# Altium PCB PS-010 Main.PcbDoc (part 1 of 2) (continued)
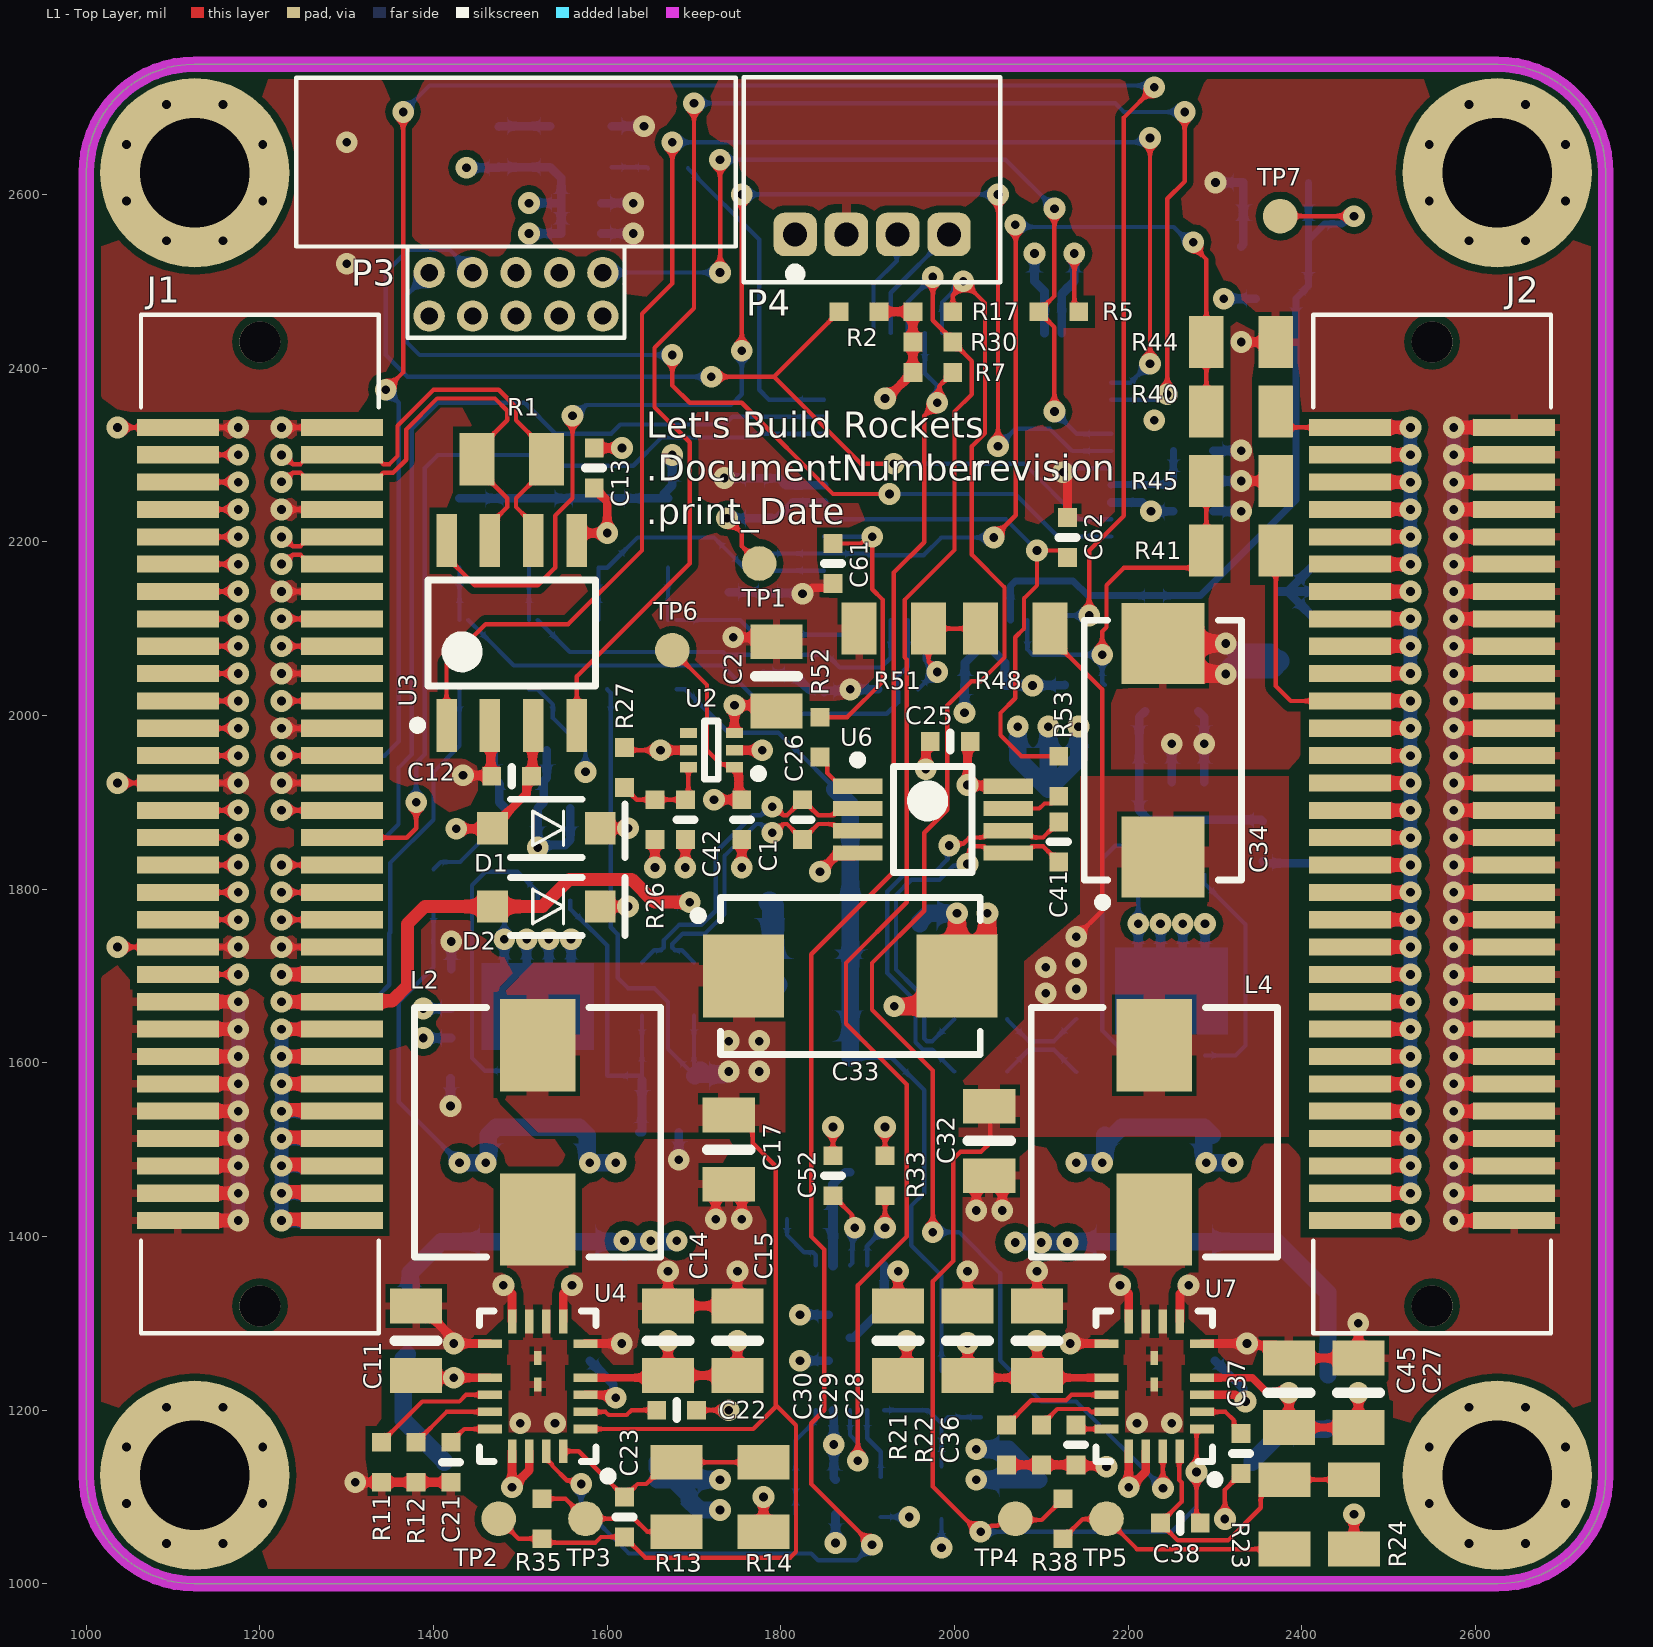
[diagram p0: L1 - Top Layer view]
## Components (designator, comment, footprint, x,y, rotation, side; value= is the part's Value field where it differs from the comment)
C1 "1µF" SMD-0402C 1755,1880 r180 top
C2 "4.7µF" SMD-0805C 1795,2045 r0 top
C3 "0.10µF" SMD-0402C 1770,2250 r180 bottom
C4 "0.10µF" SMD-0402C 2035,2035 r90 bottom
C5 "0.10µF" SMD-0402C 1570,2555 r90 bottom
C6 "10000pF" SMD-0402C 1570,2590 r90 bottom
C7 "1µF" SMD-0402C 2275,2305 r90 bottom
C8 "0.10µF" SMD-0402C 2275,2270 r90 bottom
C9 "0.10µF" SMD-0402C 2115,2500 r270 bottom
C10 "0.10µF" SMD-0402C 2275,2235 r90 bottom
C11 "1µF" SMD-0805C 1380,1280 r180 top
C12 "0.10µF" SMD-0402C 1490,1930 r270 top
C13 "0.10µF" SMD-0402C 1585,2285 r180 top
C14 "1µF" SMD-0805C 1670,1280 r180 top
C15 "1µF" SMD-0805C 1750,1280 r180 top
C16 "0.10µF" SMD-0402C 1580,1280 r0 bottom
C17 "1µF" SMD-0805C 1740,1500 r0 top
C18 "0.10µF" SMD-0402C 1660,1520 r270 bottom
C19 "1µF" SMD-0402C 1420,1685 r180 bottom
C20 "0.10µF" SMD-0402C 1420,1605 r180 bottom
C21 "10000pF" SMD-0402C 1420,1140 r180 top
C22 "1µF" SMD-0402C 1680,1200 r270 top
C23 "4.7pF" SMD-0402C 1620,1077 r180 top
C24 "0.10µF" SMD-0603C 1500,1960 r90 bottom
C25 "0.10µF" SMD-0402C 1995,1970 r270 top
C26 "1µF" SMD-0402C 1825,1880 r180 top
C27 "1µF" SMD-0805C 2465,1220 r180 top
C28 "1µF" SMD-0805C 2095,1280 r180 top
C29 "1µF" SMD-0805C 2015,1280 r180 top
C30 "1µF" SMD-0805C 1935,1280 r180 top
C31 "0.10µF" SMD-0402C 2300,1280 r0 bottom
C32 "1µF" SMD-0805C 2040,1510 r0 top
C33 "T521W476M016ATE045" "KEMET W - CAPMP7343X15N" 1880,1700 r0 top value=47uF
C34 "T521W476M016ATE045" "KEMET W - CAPMP7343X15N" 2240,1960 r90 top value=47uF
C35 "T521W476M016ATE045" "KEMET W - CAPMP7343X15N" 1985,1915 r0 bottom locked value=47uF
C36 "10000pF" SMD-0402C 2140,1160 r180 top
C37 "1µF" SMD-0402C 2330,1150 r180 top
C38 "4.7pF" SMD-0402C 2260,1070 r270 top
C39 "0.10µF" SMD-0603C 2250,2005 r90 bottom
C40 "4.7µF" SMD-0805C 2370,2540 r270 bottom
C41 "1µF" SMD-0402C 2120,1854.41 r180 top
C42 "0.10µF" SMD-0402C 1690,1880 r0 top
C43 "T521D226M050ATE090" "KEMET D - CAPMP7343X31N" 1535,1140 r0 bottom value=22uF
C44 "T521D226M050ATE090" "KEMET D - CAPMP7343X31N" 2221,1141 r180 bottom value=22uF
C45 "1µF" SMD-0805C 2385,1220 r180 top
C46 "10pF" SMD-0402C 2030,1215 r180 bottom
C47 "1µF" SMD-0805C 2373.39,2102.72 r180 bottom
C48 "0.10µF" SMD-0402C 1780,2025 r180 bottom
C49 "1µF" SMD-0805C 1760,1280 r0 bottom
C50 "0.10µF" SMD-0402C 1830,1420 r270 bottom
C51 "1µF" SMD-0805C 1920,1760 r270 bottom
C52 "10000pF" SMD-0402C 1860,1470 r0 top
C53 "1µF" SMD-0402C 1915,1100 r0 bottom
C54 "0.10µF" SMD-0402C 1850,2050 r0 bottom
C55 "0.10µF" SMD-0402C 1785,2165 r0 bottom
C56 "0.10µF" SMD-0402C 2150,2035 r270 bottom
C57 "0.10µF" SMD-0402C 1815,2070 r0 bottom
C58 "0.10µF" SMD-0402C 1740,2165 r0 bottom
C59 "0.10µF" SMD-0402C 1935,2030 r270 bottom
C60 "0.10µF" SMD-0402C 2230,2161 r180 bottom
C61 "1µF" SMD-0402C 1860,2175 r180 top
C62 "1µF" SMD-0402C 2130,2205 r0 top
D1 "SBR0560S1Q-7" SOD123 1530,1870 r180 top
D2 "SBR0560S1Q-7" SOD123 1530,1780 r180 top
D3 "SBR0560S1Q-7" SOD123 1725,1785 r0 bottom
J1 "10144517-062802LF" 10144517-062802LF 1200,1875 r90 top locked
J2 "10144517-062802LF" 10144517-062802LF 2550,1875 r90 top locked
L1 "XGL4020-331ME" "INDM4040X21N (XGL4020)" 1520,1460 r270 bottom value=330nH
L2 "744314330" "INDM7050X50N (Wurth)" 1520,1520 r90 top value=3.3uH
L3 "XGL4020-251ME" "INDM4040X21N (XGL4020)" 2230,1460 r270 bottom value=250nH
L4 "744314330" "INDM7050X50N (Wurth)" 2230,1520 r90 top value=3.3uH
L5 "XGL4020-822ME" "INDM4040X21N (XGL4020)" 1880,1540 r90 bottom value=8.2uH
P1 "10144518-064802LF" 10144518-064802LF 1200,1875 r270 bottom locked
P2 "10144518-064802LF" 10144518-064802LF 2550,1875 r270 bottom locked
P3 "2x5_0.05_SWD" 2X5_0.05_R 1495,2460 r180 top locked
P4 "S4B-ZR(LF)(SN)" S4B-ZR(LF)(SN) 1905,2735 r180 top locked
Q1 "NVTFWS003N04CTAG" DFN065P305X80-8N 1520,1647.28 r0 bottom
Q2 "NVTFWS003N04CTAG" DFN065P305X80-8N 2250,1665 r0 bottom
R1 "120" SMD-0805-RES 1490,2295 r90 top
R2 "1k" SMD-0402-RES 1890,2465 r90 top
R3 "22" SMD-0402-RES 1670,2630 r270 bottom
R4 "1k" SMD-0402-RES 1475,2655 r180 bottom
R5 "10k" SMD-0402-RES 2120,2465 r90 top
R6 "0.15" SMD-0603-RES 1370,1295 r0 bottom
R7 "100k" SMD-0402-RES 1975,2395 r270 top
R8 "0.005" SMD-0603-RES 1670.51,1585 r90 bottom
R9 "2.2" SMD-0603-RES 1700,1685 r180 bottom
R10 "2.2" SMD-0603-RES 1640,1685 r180 bottom
R11 "100k" SMD-0402-RES 1340,1140 r180 top
R12 "18.2k" SMD-0402-RES 1380,1140 r180 top
R13 "1M" SMD-0805-RES 1680,1100 r0 top
R14 "232k" SMD-0805-RES 1780,1100 r180 top
R15 "100" SMD-0402-RES 1400,1800 r180 bottom
R16 "220k" SMD-0402-RES 1840,1120 r270 bottom
R17 "100k" SMD-0402-RES 1975,2465 r270 top
R18 "0.005" SMD-0603-RES 2140,1620 r180 bottom
R19 "2.2" SMD-0603-RES 2030,1650 r270 bottom
R20 "2.2" SMD-0603-RES 2030,1590 r270 bottom
R21 "100k" SMD-0402-RES 2060,1160 r180 top
R22 "18.2k" SMD-0402-RES 2100,1160 r180 top
R23 "1M" SMD-0805-RES 2380,1080 r0 top
R24 "86.6k" SMD-0805-RES 2460,1080 r180 top
R25 "100" SMD-0402-RES 2355,1855 r180 bottom
R26 "100k" SMD-0402-RES 1655,1880 r0 top
R27 "47k" SMD-0402-RES 1620,1940 r0 top
R28 "187k" SMD-0603-RES 1985,1105 r0 bottom
R29 "0.15" SMD-0603-RES 2430,1210 r0 bottom
R30 "100k" SMD-0402-RES 1975,2430 r270 top
R31 "1M" SMD-0603-RES 1985,1215 r0 bottom
R32 "2.2" SMD-0805-RES 1835,1690 r90 bottom
R33 "18.2k" SMD-0402-RES 1920,1470 r0 top
R34 "20k" SMD-0402-RES 1840,1080 r90 bottom
R35 "10" SMD-0402-RES 1525,1075 r0 top
R36 "1k" SMD-0402-RES 2370,2480 r90 bottom
R37 "36k" SMD-0805-RES 1430,2070 r180 bottom
R38 "10" SMD-0402-RES 2125,1075 r180 top
R39 "36k" SMD-0805-RES 1510,2070 r180 bottom
R40 "110k" SMD-0805-RES 2330,2350 r90 top
R41 "240k" SMD-0805-RES 2330,2190 r90 top
R42 "20k" SMD-0805-RES 1430,2210 r0 bottom
R43 "20k" SMD-0805-RES 1510,2210 r0 bottom
R44 "20k" SMD-0805-RES 2330,2430 r90 top
R45 "10k" SMD-0805-RES 2330,2270 r270 top
R46 "36k" SMD-0805-RES 1670,2070 r180 bottom
R47 "36k" SMD-0805-RES 1590,2070 r180 bottom
R48 "110k" SMD-0805-RES 2070,2100 r90 top
R49 "20k" SMD-0805-RES 1670,2210 r0 bottom
R50 "20k" SMD-0805-RES 1590,2210 r0 bottom
R51 "20k" SMD-0805-RES 1930,2100 r270 top
R52 "1k" SMD-0402-RES 1845,1975 r0 top
R53 "1k" SMD-0402-RES 2120,1930 r0 top
TP1 "TP" TP_SMD_40 1775,2175 r90 top
TP2 "TP" TP_SMD_40 1475,1075 r90 top
TP3 "TP" TP_SMD_40 1575,1075 r90 top
TP4 "TP" TP_SMD_40 2070,1075 r90 top
TP5 "TP" TP_SMD_40 2175,1075 r90 top
TP6 "TP" TP_SMD_40 1675,2075 r90 top
TP7 "TP" TP_SMD_40 2375,2575 r90 top
U1 "ATSAMC21G17" TSQFP50P900X900X120-48N 2015,2275 r90 bottom locked
U2 "NCV8170AXV330T2G" SOTFL50P160X60-6N 1720,1960 r180 top
U3 "ATA6561-GAQW" SOIC127P600X175-8N 1490,2095 r90 top
U4 "LT8640JUDCF#WPBF" "QFN50P300X400X80_HS-21N (LT8640)" 1520,1227.52 r180 top locked
U5 "LM5050Q1MK-1/NOPB" SOT95P280X110-6N 1520,1840 r270 bottom
U6 "INA2180A3IDGKT" TSOP65P490X110-8N 1975,1880 r0 top locked
U7 "LT8640JUDCF#WPBF" "QFN50P300X400X80_HS-21N (LT8640)" 2230,1227.52 r180 top locked
U8 "LM5050Q1MK-1/NOPB" SOT95P280X110-6N 2250,1870 r270 bottom
U9 "LM4040CIM3-2.0" "SOT95P237X112-3N (LM4040)" 2370,2655 r90 bottom
U10 "LT8606EMSE" "TSSOP50P490X110_HS-11N (LT8606MSE)" 1879.69,1283.44 r270 bottom
X1 "MC2016K30.0000C16ESH" MC2016 1570,2655 r0 bottom

## Footprints (in the part's own frame and the unit in brackets; to place one, negate y for a bottom-side part, rotate by r counter-clockwise, add the part's x,y. Pads: shape width x height; smd on the part's side, far side on the other; paste and mask are expansions set on the pad)
2X5_0.05_R [mil]
  round 36 hole 20: 1(100,0) 2(100,-50) 3(50,0) 4(50,-50) 5(0,0) 6(0,-50) 8(-50,-50) 9(-100,0) 10(-100,-50)
  round 36 hole 20 mask+4: 7(-50,0)
  silkscreen extent -253,-274 253,25, body extent -250,-274 250,8, height 198
10144517-062802LF [mm]
  rect 0.5x2.4 smd: 1(11.6,2.4) 2(11.6,-2.4) 3(10.8,2.4) 4(10.8,-2.4) 5(10,2.4) 6(10,-2.4) 7(9.2,2.4) 8(9.2,-2.4) 9(8.4,2.4) 10(8.4,-2.4) 11(7.6,2.4) 12(7.6,-2.4) 13(6.8,2.4) 14(6.8,-2.4) 15(6,2.4) 16(6,-2.4) 17(5.2,2.4) 18(5.2,-2.4) 19(4.4,2.4) 20(4.4,-2.4) 21(3.6,2.4) 22(3.6,-2.4) 23(2.8,2.4) 24(2.8,-2.4) 25(2,2.4) 26(2,-2.4) 27(1.2,2.4) 28(1.2,-2.4) 29(0.4,2.4) 30(0.4,-2.4) 31(-0.4,2.4) 32(-0.4,-2.4) 33(-1.2,2.4) 34(-1.2,-2.4) 35(-2,2.4) 36(-2,-2.4) 37(-2.8,2.4) 38(-2.8,-2.4) 39(-3.6,2.4) 40(-3.6,-2.4) 41(-4.4,2.4) 42(-4.4,-2.4) 43(-5.2,2.4) 44(-5.2,-2.4) 45(-6,2.4) 46(-6,-2.4) 47(-6.8,2.4) 48(-6.8,-2.4) 49(-7.6,2.4) 50(-7.6,-2.4) 51(-8.4,2.4) 52(-8.4,-2.4) 53(-9.2,2.4) 54(-9.2,-2.4) 55(-10,2.4) 56(-10,-2.4) 57(-10.8,2.4) 58(-10.8,-2.4) 59(-11.6,2.4) 60(-11.6,-2.4)
  round 1.2 hole 1.2 unplated: M1(14.1,0)
  silkscreen extent -14.9,-3.47 14.9,3.47, body extent -14.9,-3.4 14.9,3.4, height 7.65
10144518-064802LF [mm]
  rect 0.5x2 smd: 1(-11.6,2.2) 2(-11.6,-2.2) 3(-10.8,2.2) 4(-10.8,-2.2) 5(-10,2.2) 6(-10,-2.2) 7(-9.2,2.2) 8(-9.2,-2.2) 9(-8.4,2.2) 10(-8.4,-2.2) 11(-7.6,2.2) 12(-7.6,-2.2) 13(-6.8,2.2) 14(-6.8,-2.2) 15(-6,2.2) 16(-6,-2.2) 17(-5.2,2.2) 18(-5.2,-2.2) 19(-4.4,2.2) 20(-4.4,-2.2) 21(-3.6,2.2) 22(-3.6,-2.2) 23(-2.8,2.2) 24(-2.8,-2.2) 25(-2,2.2) 26(-2,-2.2) 27(-1.2,2.2) 28(-1.2,-2.2) 29(-0.4,2.2) 30(-0.4,-2.2) 31(0.4,2.2) 32(0.4,-2.2) 33(1.2,2.2) 34(1.2,-2.2) 35(2,2.2) 36(2,-2.2) 37(2.8,2.2) 38(2.8,-2.2) 39(3.6,2.2) 40(3.6,-2.2) 41(4.4,2.2) 42(4.4,-2.2) 43(5.2,2.2) 44(5.2,-2.2) 45(6,2.2) 46(6,-2.2) 47(6.8,2.2) 48(6.8,-2.2) 49(7.6,2.2) 50(7.6,-2.2) 51(8.4,2.2) 52(8.4,-2.2) 53(9.2,2.2) 54(9.2,-2.2) 55(10,2.2) 56(10,-2.2) 57(10.8,2.2) 58(10.8,-2.2) 59(11.6,2.2) 60(11.6,-2.2)
  round 1.2 hole 1.2 unplated: M2(14.1,0)
  silkscreen extent -14.97,-3.08 14.97,3.08, body extent -14.9,-3 14.9,3, height 7.65
DFN065P305X80-8N [mm] "DFN, 8-Leads, Body 3.05x3.05mm, Pitch 0.65mm, IPC Medium Density"
  rect 0.42x0.47 smd: D(-0.975,-1.6) D(-0.325,-1.6) D(0.325,-1.6) D(0.975,-1.6)
  rect 2.37x1.83 smd: D(0,-0.45)
  rect 3.46x0.57 smd: D(0,0)
  rect 0.42x0.66 smd: G(-0.975,1.435) S(-0.325,1.435) S(0.325,1.435) S(0.975,1.435)
  silkscreen extent 1.93,1.53 2.02,1.62, body extent -1.65,-1.58 1.65,1.7, height 0.8
"INDM4040X21N (XGL4020)" [mm] "Molded Inductor, 2-Leads, Body 4.00x4.00mm, IPC Medium Density"
  rect 0.98x3.4 smd: 1(-1.675,0) 2(1.675,0)
  silkscreen extent -2.15,-2.15 2.15,2.15, body extent -2.37,-2.15 2.37,2.15, height 2.1
"INDM7050X50N (Wurth)" [mm] "Molded Inductor, 2-Leads, Body 7.00x6.90mm, IPC Medium Density"
  rect 2.7x2.2 smd: 1(-2.55,0) 2(2.55,0)
  silkscreen extent -3.65,-3.6 3.65,3.6, body extent -3.87,-3.6 3.87,3.6, height 5
"KEMET D - CAPMP7343X31N" [mm] "Molded Capacitor, 2-Leads, Body 7.30x4.30mm, IPC Medium Density"
  rect 2.37x2.43 smd: 1(-3.12,0) 2(3.12,0)
  silkscreen extent -4.57,-2.3 3.8,2.3, body extent -4.02,-2.3 4.02,2.3, height 3.1
"KEMET W - CAPMP7343X15N" [mm] "Molded Capacitor, 2-Leads, Body 7.30x4.30mm, IPC Medium Density"
  rect 2.37x2.43 smd: 1(-3.12,0) 2(3.12,0)
  silkscreen extent -4.57,-2.3 3.8,2.3, body extent -4.02,-2.3 4.02,2.3, height 1.5
MC2016 [mm]
  rect 0.6x0.8 smd: 1(-0.9,-0.6) 2(0.9,-0.6) 3(0.9,0.6) 4(-0.9,0.6)
  silkscreen extent -1,-1.5 0.3,0.8, body extent -1,-0.8 1,0.8, height 0.4
"QFN50P300X400X80_HS-21N (LT8640)" [mm] "QFN, 20-Leads, Body 3.00x4.00mm, Pitch 0.50mm, Thermal Pad 1.00x1.00mm, IPC Medium Density"
  rect 0.7x0.25 smd: 1(-1.4,1.25) 2(-1.4,0.75) 3(-1.4,0.25) 4(-1.4,-0.25) 6(-1.4,-1.25) 11(1.4,-1.25) 13(1.4,-0.25) 14(1.4,0.25) 15(1.4,0.75) 16(1.4,1.25)
  rect 0.25x0.7 smd: 7(-0.75,-1.9) 8(-0.25,-1.9) 9(0.25,-1.9) 10(0.75,-1.9) 17(0.75,1.9) 18(0.25,1.9) 19(-0.25,1.9) 20(-0.75,1.9)
  rect 0.22x0.4 smd: 21(0,-0.825) 22(0,-0.05)
  silkscreen extent -2.18,-2.2 1.7,2.75, body extent -1.6,-2.1 1.6,2.1, height 0.8
S4B-ZR(LF)(SN) [mm]
  rrect50% 1.27x1.27 hole 0.7: 1(2.25,4.6) 2(0.75,4.6) 3(-0.75,4.6) 4(-2.25,4.6)
  silkscreen extent -3.75,0 3.75,6, body extent -3.75,0 3.75,6, height 3.7
SMD-0402-RES [mm]
  rect 0.55x0.55 smd: 1(0,0.584) 2(0,-0.584)
  body extent -0.27,-0.57 0.28,0.58, height 0.41
SMD-0402C [mm]
  rect 0.55x0.55 smd: 1(0,0.584) 2(0,-0.584)
  silkscreen extent -0.25,0 0.25,0, body extent -0.25,-0.51 0.25,0.51, height 0.51
SMD-0603-RES [mm]
  rect 0.85x0.85 smd: 1(0,0.775) 2(0,-0.775)
  body extent -0.4,-0.85 0.4,0.85, height 0.56
SMD-0603C [mm]
  rect 0.85x0.85 smd: 1(0,0.775) 2(0,-0.775)
  silkscreen extent -0.4,0 0.4,0, body extent -0.4,-0.8 0.4,0.8, height 0.9
SMD-0805-RES [mil]
  rect 60x40 smd: 1(0,40) 2(0,-40)
  body extent -24,-39 26,39, height 31
SMD-0805C [mil]
  rect 60x40 smd: 1(0,40) 2(0,-40)
  silkscreen extent -25,0 25,0, body extent -25,-39 25,39, height 35
SOD123 [mm] "SOD123 2-Leads, Body 1.55x2.70mm, Pitch 0.50mm, IPC Medium Density"
  rect 0.9x0.95 smd: A(1.575,0) K(-1.575,0)
  silkscreen extent -2.3,-0.85 1.05,0.85, body extent -1.85,-0.85 1.85,0.85, height 1.45
SOIC127P600X175-8N [mm] "SOIC, 8-Leads, Body 4.90x3.90mm, Pitch 1.27mm, IPC Medium Density"
  rect 1.55x0.6 smd: 1(-2.7,1.905) 2(-2.7,0.635) 3(-2.7,-0.635) 4(-2.7,-1.905) 5(2.7,-1.905) 6(2.7,-0.635) 7(2.7,0.635) 8(2.7,1.905)
  silkscreen extent -2.82,-2.45 1.55,2.88, body extent -3,-2.45 3,2.45, height 1.75
"SOT95P237X112-3N (LM4040)" [mm] "SOT23, 3-Leads, Body 2.92x2.37mm, Pitch 0.95mm, IPC Medium Density"
  rect 1.3x0.6 smd mask+0.07: A(-1.05,-0.95) K(-1.05,0.95) NC(1.05,0)
  silkscreen extent -1.17,-1.5 0.7,1.93, body extent -1.32,-1.52 1.32,1.52, height 1.12
SOT95P280X110-6N [mm] "SOT23, 6-Leads, Body 2.90x2.80mm, Pitch 0.95mm, IPC Medium Density"
  rect 1.1x0.6 smd mask+0.06: 1(-1.35,0.95) 2(-1.35,0) 3(-1.35,-0.95) 4(1.35,-0.95) 5(1.35,0) 6(1.35,0.95)
  silkscreen extent -1.47,-1.55 0.5,1.92, body extent -1.53,-1.53 1.53,1.52, height 1.1
SOTFL50P160X60-6N [mm] "SOTFL, 6-Leads, Body 1.60x1.60mm, Pitch 0.50mm, IPC Medium Density"
  rect 0.5x0.3 smd mask+0.051: 1(-0.675,0.5) 2(-0.675,0) 3(-0.675,-0.5) 4(0.675,-0.5) 5(0.675,0) 6(0.675,0.5)
  silkscreen extent -1.5,-0.85 0.2,0.85, body extent -0.8,-0.85 0.8,0.85, height 0.6
TP_SMD_40 [mil]
  round 40 smd: 1(0,0)
TSOP65P490X110-8N [mm] "TSOP, 8-Leads, Body 3.00x3.00mm, Pitch 0.65mm, IPC Medium Density"
  rect 1.45x0.45 smd mask+0.05: 1(-2.2,0.975) 2(-2.2,0.325) 3(-2.2,-0.325) 4(-2.2,-0.975) 5(2.2,-0.975) 6(2.2,-0.325) 7(2.2,0.325) 8(2.2,0.975)
  silkscreen extent -2.32,-1.55 1.15,1.87, body extent -2.45,-1.55 2.45,1.55, height 1.1
TSQFP50P900X900X120-48N [mm] "TSQFP, 48-Leads, Body 7.00x7.00mm, Pitch 0.50mm, IPC Medium Density"
  oval 1.4x0.3 smd: 1(-4.2,2.75) 2(-4.2,2.25) 3(-4.2,1.75) 4(-4.2,1.25) 5(-4.2,0.75) 6(-4.2,0.25) 7(-4.2,-0.25) 8(-4.2,-0.75) 9(-4.2,-1.25) 10(-4.2,-1.75) 11(-4.2,-2.25) 12(-4.2,-2.75) 25(4.2,-2.75) 26(4.2,-2.25) 27(4.2,-1.75) 28(4.2,-1.25) 29(4.2,-0.75) 30(4.2,-0.25) 31(4.2,0.25) 32(4.2,0.75) 33(4.2,1.25) 34(4.2,1.75) 35(4.2,2.25) 36(4.2,2.75)
  oval 0.3x1.4 smd: 13(-2.75,-4.2) 14(-2.25,-4.2) 15(-1.75,-4.2) 16(-1.25,-4.2) 17(-0.75,-4.2) 18(-0.25,-4.2) 19(0.25,-4.2) 20(0.75,-4.2) 21(1.25,-4.2) 22(1.75,-4.2) 23(2.25,-4.2) 24(2.75,-4.2) 37(2.75,4.2) 38(2.25,4.2) 39(1.75,4.2) 40(1.25,4.2) 41(0.75,4.2) 42(0.25,4.2) 43(-0.25,4.2) 44(-0.75,4.2) 45(-1.25,4.2) 46(-1.75,4.2) 47(-2.25,4.2) 48(-2.75,4.2)
  silkscreen extent -4.32,-3.1 3.1,3.57, body extent -4.5,-4.5 4.5,4.5, height 1.2
"TSSOP50P490X110_HS-11N (LT8606MSE)" [mm] "TSSOP, 10-Leads, Body 3.50x3.00mm, Pitch 0.50mm, Thermal Pad 1.88x1.68mm, IPC Medium Density"
  rect 0.889x0.305 smd: 1(-2.12,1) 2(-2.12,0.5) 3(-2.12,0) 4(-2.12,-0.5) 5(-2.12,-1) 6(2.12,-1) 7(2.12,-0.5) 8(2.12,0) 9(2.12,0.5) 10(2.12,1)
  rect 1.68x1.88 smd: 11(0,0)
  silkscreen extent -2.24,-1.55 1.15,1.83, body extent -2.45,-1.55 2.45,1.55, height 1.1

## Part data
C1 C7 C19 C22 C26 C37 C41 C53 C61 C62: library part GCM155C71A105KE38D, "CAP CER 1UF 10V X7S 0402", Digi-Key Part Number=490-13409-1-ND, Manufacturer="Murata Electronics North America", Operating Temperature="-55°C ~ 125°C", Package / Case="0402 (1005 Metric)", Ratings=AEC-Q200, Temperature Coefficient=X7S, Tolerance=±10%, Voltage=10V, @ qty=0, Applications=Automotive, Datasheets=http://www.murata.com/~/media/webrenewal/support/library/catalog/products/capacitor/mlcc/c03e.ashx, Factory Stock=0, Features=-, Height - Seated (Max)=-, Image=//media.digikey.com/Renders/Murata%20Renders/ZRB-SERIES-0402.jpg, Lead Spacing=-, Lead Style=-, Minimum Quantity=1, Mounting Type="Surface Mount, MLCC", Packaging="Cut Tape (CT)", Part Number=GCM155C71A105KE38D, Part Status=Active, Quantity Available=7240, Series=GCM, Size / Dimension="0.039\" L x 0.020\" W (1.00mm x 0.50mm)", Thickness (Max)="0.022\" (0.55mm)", Unit Price (USD)=0.12
C2 C40: library part GCJ21BR71C475KA01L, "CAP CER 4.7UF 16V X7R 0805", Digi-Key Part Number=490-10557-1-ND, Manufacturer="Murata Electronics North America", Operating Temperature="-55°C ~ 125°C", Package / Case="0805 (2012 Metric)", Ratings=AEC-Q200, Temperature Coefficient=X7R, Tolerance=±10%, Voltage=16V, @ qty=0, Applications="Automotive, Boardflex Sensitive", Datasheets=http://www.murata.com/~/media/webrenewal/support/library/catalog/products/capacitor/mlcc/c03e.ashx, Factory Stock=0, Features="Soft Termination", Height - Seated (Max)=-, Image=//media.digikey.com/Renders/Murata%20Renders/0805%20(2012%20Metric)%20.85mm.jpg, Lead Spacing=-, Lead Style=-, Minimum Quantity=1, Mounting Type="Surface Mount, MLCC", Packaging="Cut Tape (CT)", Part Number=GCJ21BR71C475KA01L, Part Status=Active, Quantity Available=53217, Series=GCJ, Size / Dimension="0.079\" L x 0.049\" W (2.00mm x 1.25mm)", Thickness (Max)="0.057\" (1.45mm)", Unit Price (USD)=0.44
C3 C4 C5 C8 C9 C10 C12 C13 C16 C18 C20 C25 C31 C42 C48 C50 C54 C55 C56 C57 C58 C59 C60: library part GCM155R71C104KA55D, "CAP CER 0.1UF 16V X7R 0402", Digi-Key Part Number=490-4759-1-ND, Manufacturer="Murata Electronics North America", Operating Temperature="-55°C ~ 125°C", Package / Case="0402 (1005 Metric)", Ratings=AEC-Q200, Temperature Coefficient=X7R, Tolerance=±10%, Voltage=16V, @ qty=0, Applications=Automotive, Datasheets=http://www.murata.com/~/media/webrenewal/support/library/catalog/products/capacitor/mlcc/c03e.ashx, Factory Stock=0, Features=-, Height - Seated (Max)=-, Image=//media.digikey.com/Renders/Murata%20Renders/ZRB-SERIES-0402.jpg, Lead Spacing=-, Lead Style=-, Minimum Quantity=1, Mounting Type="Surface Mount, MLCC", Packaging="Cut Tape (CT)", Part Number=GCM155R71C104KA55D, Part Status=Active, Quantity Available=734194, Series=GCM, Size / Dimension="0.039\" L x 0.020\" W (1.00mm x 0.50mm)", Thickness (Max)="0.022\" (0.55mm)", Unit Price (USD)=0.1
C6 C21 C36 C52: library part GCM155R71E103KA37D, "CAP CER 10000PF 25V X7R 0402", Digi-Key Part Number=490-6043-1-ND, Manufacturer="Murata Electronics North America", Operating Temperature="-55°C ~ 125°C", Package / Case="0402 (1005 Metric)", Ratings=AEC-Q200, Temperature Coefficient=X7R, Tolerance=±10%, Voltage=25V, @ qty=0, Applications=Automotive, Datasheets=http://www.murata.com/~/media/webrenewal/support/library/catalog/products/capacitor/mlcc/c03e.ashx, Factory Stock=0, Features=-, Height - Seated (Max)=-, Image=//media.digikey.com/Renders/Murata%20Renders/ZRB-SERIES-0402.jpg, Lead Spacing=-, Lead Style=-, Minimum Quantity=1, Mounting Type="Surface Mount, MLCC", Packaging="Cut Tape (CT)", Part Number=GCM155R71E103KA37D, Part Status=Active, Quantity Available=128782, Series=GCM, Size / Dimension="0.039\" L x 0.020\" W (1.00mm x 0.50mm)", Thickness (Max)="0.022\" (0.55mm)", Unit Price (USD)=0.1
C11 C14 C15 C17 C27 C28 C29 C30 C32 C45 C47 C49 C51: library part GRJ21BC72A105KE11L, "CAP CER 1UF 100V X7S 0805", Digi-Key Part Number=490-10918-1-ND, Manufacturer="Murata Electronics North America", Operating Temperature="-55°C ~ 125°C", Package / Case="0805 (2012 Metric)", Ratings=-, Temperature Coefficient=X7S, Tolerance=±10%, Voltage=100V, @ qty=0, Applications="Boardflex Sensitive", Datasheets=http://www.murata.com/~/media/webrenewal/support/library/catalog/products/capacitor/mlcc/c02e.pdf, Factory Stock=0, Features="Soft Termination", Height - Seated (Max)=-, Image=//media.digikey.com/Renders/Murata%20Renders/0805%20(2012%20Metric)%20.85mm.jpg, Lead Spacing=-, Lead Style=-, Minimum Quantity=1, Mounting Type="Surface Mount, MLCC", Packaging="Cut Tape (CT)", Part Number=GRJ21BC72A105KE11L, Part Status=Active, Quantity Available=16015, Series=GRJ, Size / Dimension="0.079\" L x 0.049\" W (2.00mm x 1.25mm)", Thickness (Max)="0.057\" (1.45mm)", Unit Price (USD)=0.47
C23 C38: library part GCM1555C1H4R7CA16D, "CAP CER 4.7PF 50V NP0 0402", Digi-Key Part Number=490-12652-1-ND, Manufacturer="Murata Electronics North America", Operating Temperature="-55°C ~ 125°C", Package / Case="0402 (1005 Metric)", Ratings=AEC-Q200, Temperature Coefficient="C0G, NP0", Tolerance=±0.25pF, Voltage=50V, @ qty=0, Applications=Automotive, Datasheets=http://www.murata.com/~/media/webrenewal/support/library/catalog/products/capacitor/mlcc/c03e.ashx, Factory Stock=0, Features=-, Height - Seated (Max)=-, Image=//media.digikey.com/Renders/Murata%20Renders/ZRB-SERIES-0402.jpg, Lead Spacing=-, Lead Style=-, Minimum Quantity=1, Mounting Type="Surface Mount, MLCC", Packaging="Cut Tape (CT)", Part Number=GCM1555C1H4R7CA16D, Part Status=Active, Quantity Available=7400, Series=GCM, Size / Dimension="0.039\" L x 0.020\" W (1.00mm x 0.50mm)", Thickness (Max)="0.022\" (0.55mm)", Unit Price (USD)=0.1
C24 C39: library part GRM188R72A104KA35D, "CAP CER 0.1UF 100V X7R 0603", Digi-Key Part Number=490-3285-1-ND, Manufacturer="Murata Electronics North America", Operating Temperature="-55°C ~ 125°C", Package / Case="0603 (1608 Metric)", Ratings=-, Temperature Coefficient=X7R, Tolerance=±10%, Voltage=100V, @ qty=0, Applications="General Purpose", Datasheets=http://www.murata.com/~/media/webrenewal/support/library/catalog/products/capacitor/mlcc/c02e.pdf, Factory Stock=0, Features=-, Height - Seated (Max)=-, Image=//media.digikey.com/Renders/Murata%20Renders/ZRB-SERIES-0402.jpg, Lead Spacing=-, Lead Style=-, Minimum Quantity=1, Mounting Type="Surface Mount, MLCC", Packaging="Cut Tape (CT)", Part Number=GRM188R72A104KA35D, Part Status=Active, Quantity Available=924944, Series=GRM, Size / Dimension="0.063\" L x 0.031\" W (1.60mm x 0.80mm)", Thickness (Max)="0.035\" (0.90mm)", Unit Price (USD)=0.2
C33 C34 C35: Voltage=16V, ESR=45mohm, Unit Price (USD)=2.04
C43 C44: Voltage=50V, ESR=90mohm, Unit Price (USD)=4.73
C46: library part GCM1555C1H100JA16D, "CAP CER 10PF 50V NP0 0402", Digi-Key Part Number=490-10668-1-ND, Manufacturer="Murata Electronics North America", Operating Temperature="-55°C ~ 125°C", Package / Case="0402 (1005 Metric)", Ratings=AEC-Q200, Temperature Coefficient="C0G, NP0", Tolerance=±5%, Voltage=50V, @ qty=0, Applications=Automotive, Datasheets=http://www.murata.com/~/media/webrenewal/support/library/catalog/products/capacitor/mlcc/c03e.ashx, Factory Stock=0, Features=-, Height - Seated (Max)=-, Image=//media.digikey.com/Renders/Murata%20Renders/ZRB-SERIES-0402.jpg, Lead Spacing=-, Lead Style=-, Minimum Quantity=1, Mounting Type="Surface Mount, MLCC", Packaging="Cut Tape (CT)", Part Number=GCM1555C1H100JA16D, Part Status=Active, Quantity Available=966, Series=GCM, Size / Dimension="0.039\" L x 0.020\" W (1.00mm x 0.50mm)", Thickness (Max)="0.022\" (0.55mm)", Unit Price (USD)=0.1
L2 L4: Tolerance=20%, DCR=9mohm, Imax=9A, Isat=8A, SFR=65MHz, Unit Price (USD)=3.56
Q1 Q2: Operating Temperature="-55°C ~ 175°C", Power Dissipation=3.2W, Ciss=1600pF, Id=22A, Qg=23nC, Rds=3.5mohm, Unit Price (USD)=0.74, VDS=40V, Vgs=20V
R1: library part ERJ-P6WJ121V, "RES SMD 120 OHM 5% 1/2W 0805", Digi-Key Part Number=P16943CT-ND, Manufacturer="Panasonic Electronic Components", Operating Temperature="-55°C ~ 155°C", Package / Case="0805 (2012 Metric)", Power (Watts)="0.5W, 1/2W", Supplier Device Package=0805, Temperature Coefficient=±200ppm/°C, Tolerance=±5%, @ qty=1500, Composition="Thick Film", Datasheets=https://industrial.panasonic.com/cdbs/www-data/pdf/RDA0000/AOA0000C243.pdf, Factory Stock=0, Failure Rate=-, Features="Automotive AEC-Q200, Pulse Withstanding", Height - Seated (Max)="0.030\" (0.75mm)", Image=//media.digikey.com/Renders/Panasonic%20Renders/ERJ-0805%20Pkg.jpg, Minimum Quantity=1, Number of Terminations=2, Packaging="Cut Tape (CT)", Part Number=ERJ-P6WJ121V, Part Status=Active, Quantity Available=4133, Series=ERJ, Size / Dimension="0.079\" L x 0.049\" W (2.00mm x 1.25mm)", Unit Price (USD)=0.08237
R2 R4 R36 R52 R53: library part ERJ-2GEJ102X, "RES SMD 1K OHM 5% 1/10W 0402", Digi-Key Part Number=P1.0KJCT-ND, Manufacturer="Panasonic Electronic Components", Operating Temperature="-55°C ~ 155°C", Package / Case="0402 (1005 Metric)", Power (Watts)="0.1W, 1/10W", Supplier Device Package=0402, Temperature Coefficient=±200ppm/°C, Tolerance=±5%, @ qty=1500, Composition="Thick Film", Datasheets=http://industrial.panasonic.com/www-cgi/jvcr13pz.cgi?E+PZ+3+AOA0001+ERJ2GEJ102X+7+WW, Factory Stock=0, Failure Rate=-, Features="Automotive AEC-Q200", Height - Seated (Max)="0.016\" (0.40mm)", Image=//media.digikey.com/Photos/Panasonic%20Photos/ERJ-PA2-Series.jpg, Minimum Quantity=1, Number of Terminations=2, Packaging="Cut Tape (CT)", Part Number=ERJ-2GEJ102X, Part Status=Active, Quantity Available=1939857, Series=ERJ, Size / Dimension="0.039\" L x 0.020\" W (1.00mm x 0.50mm)", Unit Price (USD)=0.00350
R3: library part ERJ-2RKF22R0X, "RES SMD 22 OHM 1% 1/10W 0402", Digi-Key Part Number=P22.0LCT-ND, Manufacturer="Panasonic Electronic Components", Operating Temperature="-55°C ~ 155°C", Package / Case="0402 (1005 Metric)", Power (Watts)="0.1W, 1/10W", Supplier Device Package=0402, Temperature Coefficient=±100ppm/°C, Tolerance=±1%, @ qty=1500, Composition="Thick Film", Datasheets=http://industrial.panasonic.com/www-cgi/jvcr13pz.cgi?E+PZ+3+AOA0002+ERJ2RKF22R0X+7+WW, Factory Stock=0, Failure Rate=-, Features="Automotive AEC-Q200", Height - Seated (Max)="0.016\" (0.40mm)", Image=//media.digikey.com/Photos/Panasonic%20Photos/ERJ-PA2-Series.jpg, Minimum Quantity=1, Number of Terminations=2, Packaging="Cut Tape (CT)", Part Number=ERJ-2RKF22R0X, Part Status=Active, Quantity Available=620432, Series=ERJ, Size / Dimension="0.039\" L x 0.020\" W (1.00mm x 0.50mm)", Unit Price (USD)=0.00496
R5: library part ERJ-2GEJ103X, "RES SMD 10K OHM 5% 1/10W 0402", Digi-Key Part Number=P10KJCT-ND, Manufacturer="Panasonic Electronic Components", Operating Temperature="-55°C ~ 155°C", Package / Case="0402 (1005 Metric)", Power (Watts)="0.1W, 1/10W", Supplier Device Package=0402, Temperature Coefficient=±200ppm/°C, Tolerance=±5%, @ qty=1500, Composition="Thick Film", Datasheets=http://industrial.panasonic.com/www-cgi/jvcr13pz.cgi?E+PZ+3+AOA0001+ERJ2GEJ103X+7+WW, Factory Stock=0, Failure Rate=-, Features="Automotive AEC-Q200", Height - Seated (Max)="0.016\" (0.40mm)", Image=//media.digikey.com/Photos/Panasonic%20Photos/ERJ-PA2-Series.jpg, Minimum Quantity=1, Number of Terminations=2, Packaging="Cut Tape (CT)", Part Number=ERJ-2GEJ103X, Part Status=Active, Quantity Available=2560215, Series=ERJ, Size / Dimension="0.039\" L x 0.020\" W (1.00mm x 0.50mm)", Unit Price (USD)=0.00350